# KiCad board cm4-baseboard.kicad_pcb (continued)
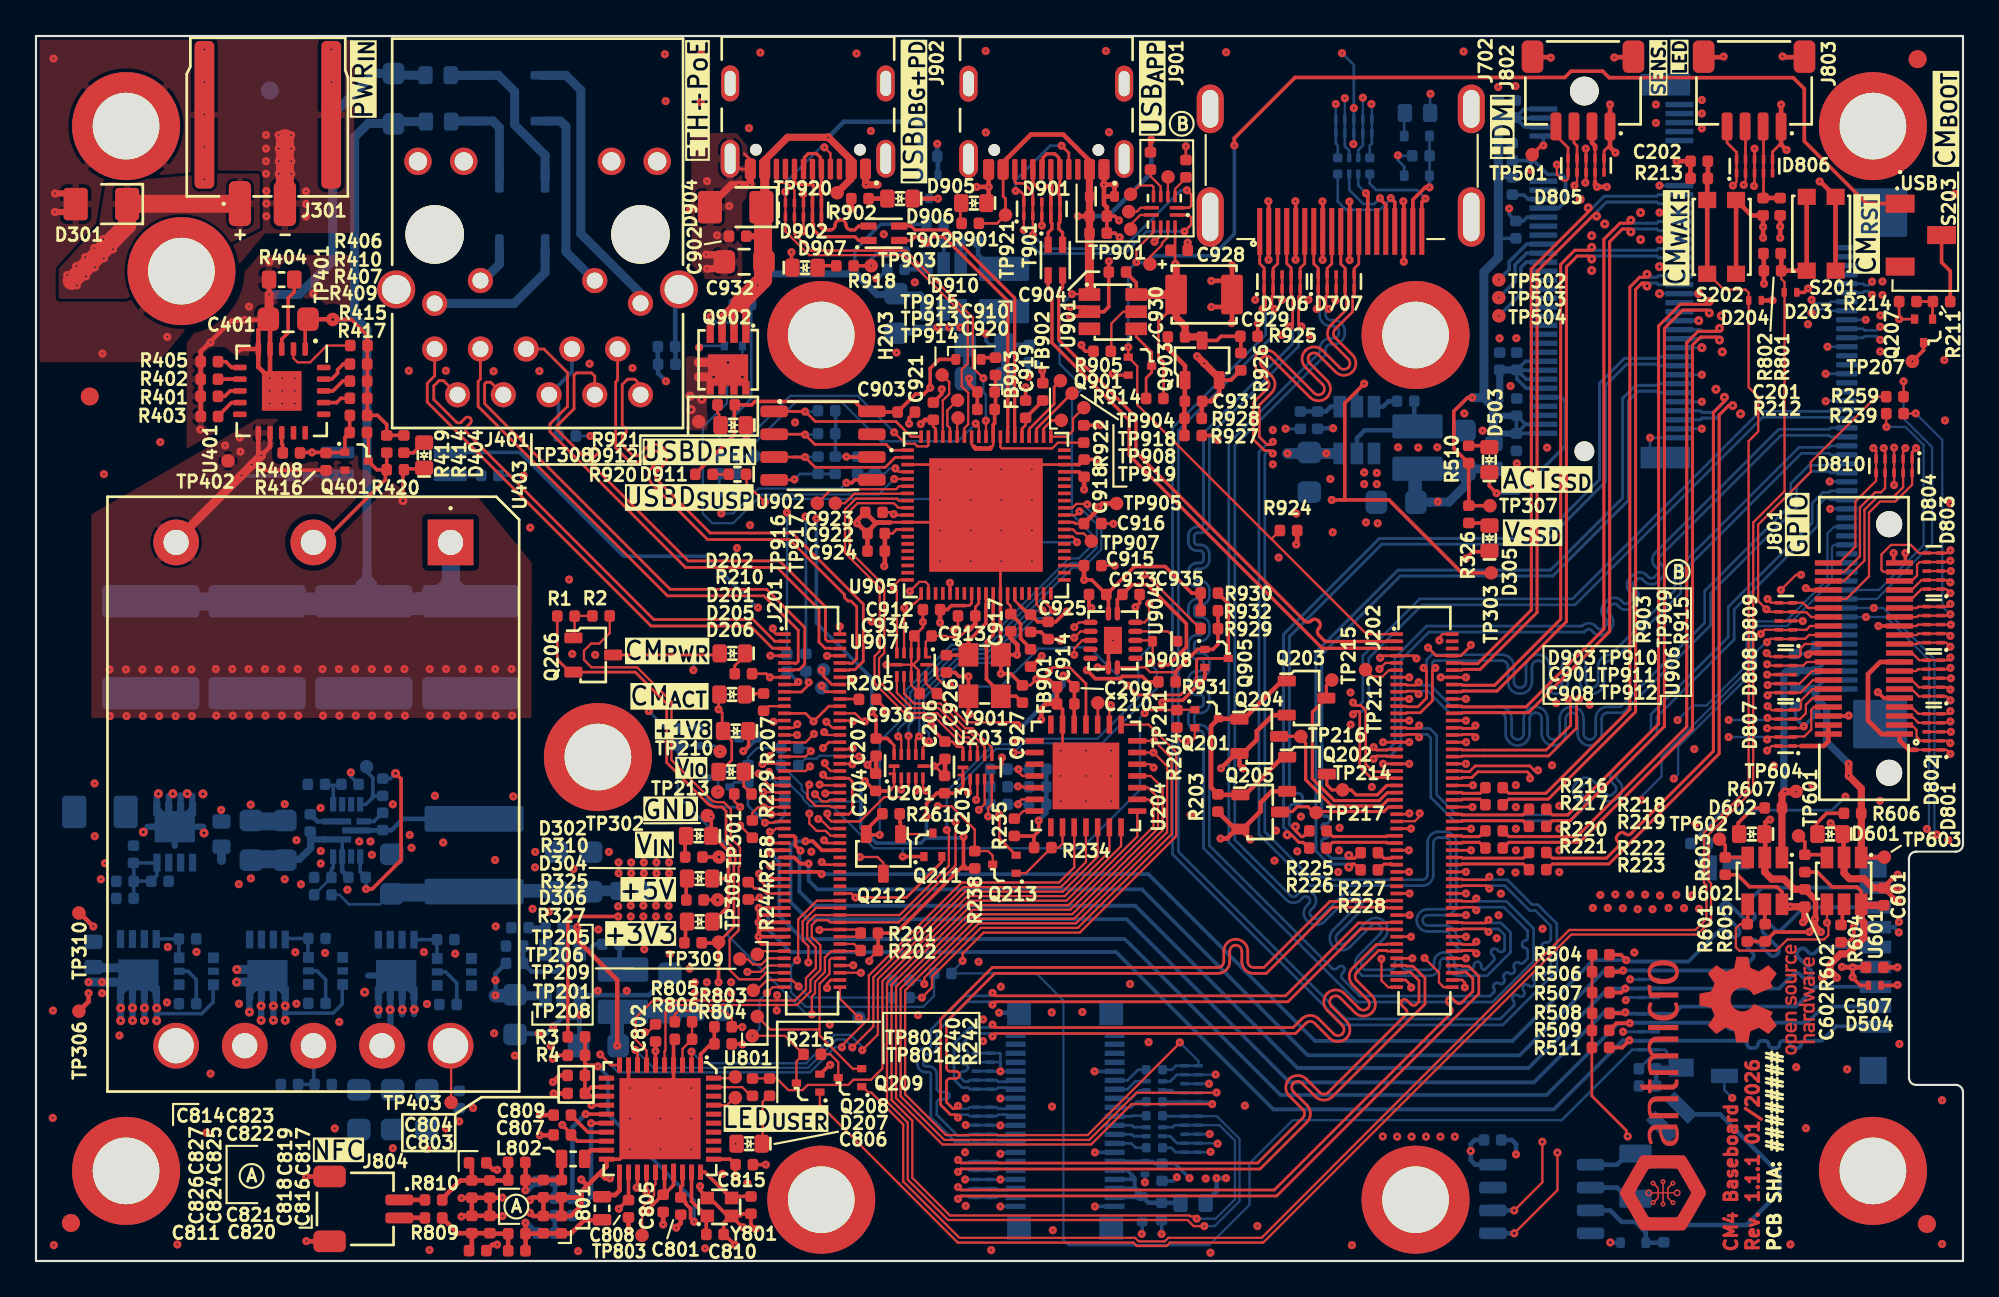
[diagram p0: board, top side]
## Routing (per net, layer and track width the routed paths; a pad name or vN(x,y) marks a point on that pad's centre or on a via; arc(x,y) is an arc through that point) (continued)
/Compute module/GPIO.27: length 89.6
  Top w0.127: v1(106.3,31.73) 106.17,31.85 D802.2 104.99,31.85 ; J201.48 44.06,25.6 43.97,25.51 43.66,25.51 v1(43.25,25.92) ; D802.9 104.55,31.85 104.15,32.25
  In2.Cu w0.127: v1(90.65,19.6) 90.65,17.29 91.24,16.7 91.24,12.75 89.98,11.49 70.43,11.49 61.72,20.2 48.62,20.2 45.68,23.14 45.68,24.07 44.25,25.5 43.67,25.5 v1(43.25,25.92)
  In3.Cu w0.127: v1(90.65,19.6) 90.65,20.52 91.35,21.22 99.74,21.22 104.88,26.36 104.88,30.3 v1(106.3,31.73)
/Compute module/GPIO.AIN0: length 84.2
  Top w0.127: v1(96.15,36.75) 96.36,36.54 D809.6 ; D809.5 98.11,36.54 98.4,36.25 J801.30 ; v1(45.8,16) J201.96 ; 96.77,36.53 97.55,36.53
  In2.Cu w0.127: v1(96.5,27.5) 96.5,27.14 95.4,26.04 95.4,26.03 94.52,25.15 94.52,11.72 91.27,8.47 69.16,8.47 65.91,11.72 49.76,11.72 45.8,15.68 v1(45.8,16)
  In3.Cu w0.127: v1(96.15,36.75) 96.56,36.34 96.56,27.56 v1(96.5,27.5)
/Compute module/GPIO.AIN1: length 80.2
  Top w0.127: D808.10 96.3,31.55 v1(96.15,31.4) ; J801.14 98.68,32.25 97.98,31.55 D808.1 ; 96.77,31.55 97.55,31.55
  Top w0.15: J201.94 45.37,16.4 v1(45.38,16.41)
  In2.Cu w0.15: v1(45.38,16.41) 45.38,15.73 49.65,11.46 65.8,11.46 69.05,8.21 91.38,8.21 94.78,11.61 94.78,25.04 95.67,25.93 95.67,25.93 96.99,27.25 96.99,30.69 96.27,31.4 v1(96.15,31.4)
/Compute module/HDMI.CEC: length 48.9
  Top w0.127: v1(76.26,24.85) 76.08,24.85 76.03,24.8 J202.51
  In2.Cu w0.127: v1(73.67,64.58) 73.67,61.3 71.84,59.47 71.84,57.99 73.87,55.96 73.87,54.9 73.08,54.11 73.08,33.46 71,31.39 71,30.17 76.26,24.91 v1(76.26,24.85)
  Bottom w0.127: v1(73.67,64.58) 73.67,63.39 ; D708.9 73.68,62.61
  Bottom w0.15: R701.3 73.42,61.67 73.67,61.93 D708.2
/Compute module/HDMI.CLK_N: length 73.5
  Top w0.15: D707.5 73.19,53.63 73.11,53.55 73.11,52.7 72.14,51.73 arc(72.04,51.49) 72.14,51.25 73.1,50.3 arc(73.29,49.83) 73.1,49.36 arc(72.63,49.16) 72.16,49.36 71.2,50.31 arc(70.96,50.41) 70.73,50.31 arc(70.63,50.08) 70.73,49.84 71.68,48.89 arc(71.88,48.42) 71.68,47.94 arc(71.21,47.75) 70.74,47.94 68.55,50.14 arc(68.31,50.24) 68.08,50.14 arc(67.98,49.9) 68.08,49.66 68.61,49.13 arc(68.8,48.66) 68.61,48.19 67.92,47.51 67.92,45.75 68.36,45.32 68.52,45.32 v1(68.67,45.47) ; v1(79.97,17.07) 79.82,17.23 79.2,17.23 79.16,17.2 J202.90
  Top w0.153: 73.19,54.74 73.19,55.09 73.45,55.35 73.45,57.14 ; 73.2,53.96 73.2,54.74
  Bottom w0.15: v1(79.97,17.07) 79.82,17.23 79.08,17.23 78.53,17.79 78.53,18.01 arc(78.45,18.21) 78.24,18.29 77.28,18.29 arc(76.85,18.48) 76.66,18.91 arc(76.85,19.34) 77.28,19.53 78.24,19.53 arc(78.45,19.61) 78.53,19.81 78.53,23.21 arc(78.45,23.41) 78.24,23.5 77.88,23.5 77.88,23.5 arc(77.68,23.42) 77.59,23.22 77.59,21.45 arc(77.41,21.02) 76.98,20.84 70.76,20.84 67.91,23.69 67.91,44.9 68.32,45.32 68.52,45.32 v1(68.67,45.47)
/Compute module/HDMI.CLK_P: length 73.5
  Top w0.15: D707.4 72.69,53.63 72.78,53.55 72.78,52.83 71.91,51.96 arc(71.71,51.49) 71.91,51.02 72.86,50.07 arc(72.96,49.83) 72.86,49.59 arc(72.63,49.49) 72.39,49.59 71.43,50.55 arc(70.96,50.74) 70.49,50.55 arc(70.3,50.08) 70.49,49.61 71.45,48.65 arc(71.55,48.42) 71.45,48.18 arc(71.21,48.08) 70.98,48.18 68.78,50.37 arc(68.31,50.57) 67.84,50.37 arc(67.65,49.9) 67.84,49.43 68.37,48.9 arc(68.47,48.66) 68.37,48.43 67.59,47.65 67.59,45.61 68.22,44.98 68.52,44.98 v1(68.67,44.82) ; v1(79.97,17.72) 79.82,17.57 79.2,17.56 79.16,17.6 J202.88
  Top w0.153: 72.45,57.14 72.45,55.53 72.45,55.53 72.45,55.35 72.7,55.11 72.7,54.33 ; 72.7,53.96 72.7,54.74
  Bottom w0.15: v1(68.67,44.82) 68.52,44.98 68.46,44.98 68.23,44.76 68.23,23.83 70.9,21.16 71.16,21.16 arc(71.21,21.19) 71.23,21.24 arc(71.26,21.29) 71.31,21.31 71.56,21.31 arc(71.61,21.29) 71.63,21.24 arc(71.66,21.19) 71.71,21.16 76.98,21.16 arc(77.18,21.25) 77.27,21.45 77.27,23.22 arc(77.45,23.65) 77.88,23.83 77.88,23.83 78.24,23.83 arc(78.68,23.65) 78.86,23.21 78.86,19.81 arc(78.68,19.38) 78.24,19.19 77.28,19.19 arc(77.08,19.11) 76.99,18.91 arc(77.08,18.71) 77.28,18.62 78.24,18.62 arc(78.68,18.44) 78.86,18.01 78.86,17.92 79.22,17.57 79.82,17.57 v1(79.97,17.72)
/Compute module/HDMI.D0_N: length 73.4
  Top w0.15: J202.84 79.16,18.4 79.2,18.44 80.49,18.43 v1(80.65,18.27)
  Top w0.153: v1(71.77,52.85) 71.62,53 71.62,53.56 71.69,53.63 D707.2 ; 71.95,57.15 71.95,55.36 71.69,55.1 71.69,54.75 ; 71.7,53.97 71.7,54.75
  Bottom w0.15: v1(71.77,52.85) 71.61,52.69 71.61,52.51 arc(71.69,52.31) 71.9,52.23 72.06,52.23 arc(72.5,52.04) 72.68,51.61 72.68,51.51 arc(72.5,51.08) 72.06,50.89 71.9,50.89 arc(71.69,50.81) 71.61,50.61 71.61,50.31 66.56,45.26 66.56,23.38 69.66,20.28 arc(69.83,20.21) 69.99,20.28 70.11,20.4 arc(70.51,20.57) 70.91,20.4 arc(71.07,20) 70.91,19.6 70.79,19.48 arc(70.72,19.32) 70.79,19.15 70.85,19.09 arc(71.09,18.99) 71.33,19.09 72.5,20.27 arc(72.97,20.46) 73.44,20.27 arc(73.64,19.8) 73.44,19.33 72.27,18.15 arc(72.17,17.91) 72.27,17.68 arc(72.5,17.58) 72.74,17.68 73.92,18.85 arc(74.39,19.05) 74.86,18.85 arc(75.05,18.38) 74.86,17.91 73.68,16.74 arc(73.58,16.5) 73.68,16.26 73.78,16.16 75.25,16.16 arc(75.39,16.22) 75.45,16.37 75.45,16.54 arc(75.51,16.69) 75.65,16.75 arc(75.79,16.69) 75.85,16.54 75.85,16.37 arc(75.91,16.22) 76.05,16.16 77.39,16.16 arc(77.56,16.23) 77.62,16.4 77.62,16.56 arc(77.79,16.96) 78.19,17.13 arc(78.59,16.96) 78.75,16.56 78.75,16.4 arc(78.82,16.23) 78.99,16.16 79.64,16.16 arc(79.78,16.22) 79.84,16.37 79.84,16.41 arc(79.9,16.56) 80.04,16.62 arc(80.18,16.56) 80.24,16.41 80.24,16.37 arc(80.3,16.22) 80.44,16.16 80.92,16.65 arc(80.98,16.79) 80.92,16.93 80.85,17 arc(80.79,17.14) 80.85,17.28 arc(80.99,17.34) 81.13,17.28 81.21,17.21 arc(81.35,17.15) 81.49,17.21 81.55,17.27 81.55,18.1 81.21,18.44 80.81,18.44 v1(80.65,18.27)
/Compute module/HDMI.D0_P: length 73.4
  Top w0.15: v1(80.65,18.93) 80.49,18.77 79.2,18.76 79.16,18.8 J202.82
  Top w0.153: v1(71.12,52.85) 71.26,53 71.26,53.56 71.19,53.63 D707.1 ; 71.2,54.34 71.2,55.12 70.95,55.36 70.95,55.54 70.95,55.54 70.95,57.15 ; 71.2,53.97 71.2,54.75
  Bottom w0.15: v1(80.65,18.93) 80.81,18.76 81.35,18.76 81.88,18.24 81.88,17.13 80.58,15.84 78.99,15.84 arc(78.59,16) 78.42,16.4 78.42,16.56 arc(78.36,16.73) 78.19,16.8 arc(78.02,16.73) 77.95,16.56 77.95,16.4 arc(77.79,16) 77.39,15.84 73.64,15.84 73.45,16.03 arc(73.25,16.5) 73.45,16.97 74.63,18.15 arc(74.72,18.38) 74.63,18.62 arc(74.39,18.72) 74.15,18.62 72.97,17.44 arc(72.5,17.25) 72.03,17.44 arc(71.84,17.91) 72.03,18.38 73.21,19.56 arc(73.31,19.8) 73.21,20.03 arc(72.97,20.13) 72.74,20.03 71.56,18.86 arc(71.09,18.66) 70.62,18.86 70.56,18.92 arc(70.39,19.32) 70.56,19.72 70.67,19.83 arc(70.74,20) 70.67,20.17 arc(70.51,20.24) 70.34,20.17 70.23,20.05 arc(69.83,19.88) 69.43,20.05 66.23,23.24 66.23,45.4 71.28,50.44 71.28,50.61 arc(71.46,51.04) 71.9,51.23 72.06,51.23 arc(72.26,51.31) 72.35,51.51 72.35,51.61 arc(72.26,51.81) 72.06,51.89 71.9,51.89 arc(71.46,52.08) 71.28,52.51 71.28,52.69 v1(71.12,52.85)
/Compute module/HDMI.D1_N: length 73.5
  Top w0.15: v1(79.97,19.47) 79.82,19.63 79.2,19.63 79.16,19.6 J202.78 ; D706.5 70.19,53.62 70.11,53.54 70.11,52.03 v1(70.27,51.88)
  Top w0.153: 70.2,53.98 70.2,54.76 ; 70.45,57.16 70.45,55.37 70.19,55.11 70.19,54.76
  Bottom w0.15: v1(79.97,19.47) 80.13,19.63 81.51,19.63 82.83,18.32 82.83,17.93 arc(82.78,17.82) 82.67,17.78 arc(82.57,17.74) 82.52,17.63 82.52,17.53 arc(82.57,17.42) 82.67,17.38 arc(82.78,17.34) 82.83,17.23 82.83,16.79 82.58,16.54 arc(82.47,16.5) 82.37,16.54 arc(82.26,16.59) 82.15,16.54 82.08,16.47 arc(82.04,16.36) 82.08,16.26 arc(82.13,16.15) 82.08,16.05 82.01,15.98 arc(81.91,15.93) 81.8,15.98 arc(81.69,16.02) 81.59,15.98 81.52,15.91 arc(81.47,15.8) 81.52,15.69 arc(81.56,15.59) 81.52,15.48 81.45,15.41 arc(81.34,15.37) 81.23,15.41 arc(81.13,15.45) 81.02,15.41 80.95,15.34 arc(80.91,15.23) 80.95,15.13 arc(81,15.02) 80.95,14.92 80.74,14.7 73.51,14.7 72.53,15.68 arc(72.47,15.82) 72.53,15.96 72.61,16.04 arc(72.67,16.18) 72.61,16.32 arc(72.47,16.38) 72.32,16.32 72.25,16.25 arc(72.11,16.19) 71.97,16.25 65.16,23.06 65.16,29.25 arc(65.01,29.61) 64.65,29.75 64.49,29.75 arc(64.37,29.8) 64.32,29.92 64.32,30.25 arc(64.37,30.37) 64.49,30.42 64.65,30.42 arc(65.01,30.57) 65.16,30.92 65.16,31.25 arc(65.01,31.61) 64.65,31.75 64.49,31.75 arc(64.37,31.8) 64.32,31.92 64.32,32.25 arc(64.37,32.37) 64.49,32.42 64.65,32.42 arc(65.01,32.57) 65.16,32.92 65.16,33.25 arc(65.01,33.61) 64.65,33.75 64.49,33.75 arc(64.37,33.8) 64.32,33.92 64.32,34.25 arc(64.37,34.37) 64.49,34.42 64.65,34.42 arc(65.01,34.57) 65.16,34.92 65.16,35.25 arc(65.01,35.61) 64.65,35.75 64.49,35.75 arc(64.37,35.8) 64.32,35.92 64.32,36.25 arc(64.37,36.37) 64.49,36.42 64.65,36.42 arc(65.01,36.57) 65.16,36.92 65.16,37.25 arc(65.01,37.61) 64.65,37.75 64.49,37.75 arc(64.37,37.8) 64.32,37.92 64.32,38.25 arc(64.37,38.37) 64.49,38.42 64.65,38.42 arc(65.01,38.57) 65.16,38.92 65.16,39.25 arc(65.01,39.61) 64.65,39.75 64.49,39.75 arc(64.37,39.8) 64.32,39.92 64.32,40.25 arc(64.37,40.37) 64.49,40.42 64.65,40.42 arc(65.01,40.57) 65.16,40.92 65.16,45.82 70.11,50.78 70.11,51.72 v1(70.27,51.88)
/Compute module/HDMI.D1_P: length 73.5
  Top w0.15: v1(69.62,51.88) 69.78,52.03 69.78,53.54 69.69,53.62 D706.4 ; v1(79.97,20.12) 79.82,19.97 79.2,19.97 79.16,20 J202.76
  Top w0.153: 69.7,54.35 69.7,55.13 69.45,55.37 69.45,55.55 69.45,55.55 69.45,57.16 ; 69.7,53.98 69.7,54.76
  Bottom w0.15: v1(79.97,20.12) 80.13,19.97 81.65,19.97 83.16,18.46 83.16,16.65 80.88,14.38 73.37,14.38 64.83,22.92 64.83,29.25 arc(64.77,29.37) 64.65,29.42 64.49,29.42 arc(64.13,29.57) 63.99,29.92 63.99,30.25 arc(64.13,30.61) 64.49,30.75 64.65,30.75 arc(64.77,30.8) 64.83,30.92 64.83,31.25 arc(64.77,31.37) 64.65,31.42 64.49,31.42 arc(64.13,31.57) 63.99,31.92 63.99,32.25 arc(64.13,32.61) 64.49,32.75 64.65,32.75 arc(64.77,32.8) 64.83,32.92 64.83,33.25 arc(64.77,33.37) 64.65,33.42 64.49,33.42 arc(64.13,33.57) 63.99,33.92 63.99,34.25 arc(64.13,34.61) 64.49,34.75 64.65,34.75 arc(64.77,34.8) 64.83,34.92 64.83,35.25 arc(64.77,35.37) 64.65,35.42 64.49,35.42 arc(64.13,35.57) 63.99,35.92 63.99,36.25 arc(64.13,36.61) 64.49,36.75 64.65,36.75 arc(64.77,36.8) 64.83,36.92 64.83,37.25 arc(64.77,37.37) 64.65,37.42 64.49,37.42 arc(64.13,37.57) 63.99,37.92 63.99,38.25 arc(64.13,38.61) 64.49,38.75 64.65,38.75 arc(64.77,38.8) 64.83,38.92 64.83,39.25 arc(64.77,39.37) 64.65,39.42 64.49,39.42 arc(64.13,39.57) 63.99,39.92 63.99,40.25 arc(64.13,40.61) 64.49,40.75 64.65,40.75 arc(64.77,40.8) 64.83,40.92 64.83,45.96 69.78,50.91 69.78,51.72 v1(69.62,51.88)
/Compute module/HDMI.D2_N: length 73.5
  Top w0.15: J202.72 79.16,20.8 79.2,20.84 80.54,20.83 v1(80.7,20.67)
  Top w0.153: v1(68.77,52.85) 68.62,53 68.62,53.05 68.62,53.05 68.62,53.55 68.69,53.62 D706.2 D706.9 68.69,55.11 68.95,55.37 J702.3
  Bottom w0.15: v1(80.7,20.67) 80.86,20.83 81.56,20.83 82.94,19.45 83.26,19.45 84.11,18.59 84.11,17.89 arc(84.06,17.75) 83.91,17.69 83.81,17.69 arc(83.67,17.63) 83.61,17.49 arc(83.67,17.35) 83.81,17.29 83.91,17.29 arc(84.06,17.23) 84.11,17.09 84.11,16.24 83.73,15.86 arc(83.59,15.8) 83.45,15.86 83.45,15.86 arc(83.31,15.92) 83.17,15.86 arc(83.11,15.72) 83.17,15.58 83.17,15.57 arc(83.23,15.43) 83.17,15.29 arc(83.03,15.23) 82.88,15.29 82.88,15.29 arc(82.74,15.35) 82.6,15.29 arc(82.54,15.15) 82.6,15.01 82.6,15.01 arc(82.66,14.87) 82.6,14.73 arc(82.46,14.67) 82.32,14.73 82.32,14.73 arc(82.18,14.79) 82.03,14.73 arc(81.98,14.59) 82.03,14.44 82.04,14.44 arc(82.09,14.3) 82.04,14.16 81.31,13.44 72.72,13.44 63.44,22.72 63.44,46.1 68.61,51.27 68.61,52.69 v1(68.77,52.85)
/Compute module/HDMI.D2_P: length 73.5
  Top w0.15: v1(80.7,21.33) 80.54,21.17 79.2,21.16 79.16,21.2 J202.70
  Top w0.153: J702.1 67.95,55.55 67.95,55.55 67.95,55.37 68.19,55.12 68.19,54.35 ; D706.10 D706.1 68.19,53.62 68.26,53.55 68.26,53.19 68.26,53.19 68.26,53 v1(68.11,52.85)
  Bottom w0.15: v1(80.7,21.33) 80.86,21.17 81.69,21.17 83.08,19.78 83.39,19.78 84.44,18.73 84.44,16.1 81.45,13.1 72.58,13.1 63.11,22.58 63.11,46.24 68.28,51.41 68.28,52.69 v1(68.11,52.85)
/Compute module/HDMI.HPD: length 49.3
  Top w0.127: v1(76.83,24.85) 76.83,24.68 76.56,24.41 75.57,24.41
  In2.Cu w0.127: v1(74.15,64.22) 73.93,64 73.93,61.2 72.1,59.36 72.1,58.1 74.12,56.07 74.12,54.8 73.33,54 73.33,33.36 71.25,31.28 71.25,30.28 75.67,25.85 75.85,25.85 76.83,24.87 v1(76.83,24.85)
  Bottom w0.127: D708.1 D708.10 74.17,64.2 v1(74.15,64.22)
  Bottom w0.15: R701.4 74.06,61.91 74.17,62.03 D708.1
/Compute module/HDMI.SCL: length 63.6
  Top w0.127: v1(77.1,16.82) 77.9,16.01 77.9,15.45 78.16,15.2 J202.100
  In2.Cu w0.127: v1(72.67,64.55) 72.67,60.75 71.02,59.09 71.02,58.46 73.62,55.86 73.62,55.01 72.82,54.21 72.82,33.57 70.75,31.49 70.75,29.71 68.35,27.32 68.35,21.58 72.35,17.59 76.41,17.59 77.1,16.9 v1(77.1,16.82)
  Bottom w0.127: v1(72.67,64.55) D708.7
  Bottom w0.15: R701.2 72.92,61.63 72.67,61.88 D708.4 D708.7
/Compute module/HDMI.SDA: length 60.5
  Top w0.127: v1(74.71,16.77) 74.71,15.57 75.08,15.2 J202.99
  In2.Cu w0.127: v1(72.17,64.22) 72.17,60.72 70.75,59.3 70.75,58.34 73.37,55.72 73.37,55.11 72.57,54.32 72.57,33.67 70.49,31.59 70.49,29.82 68.1,27.43 68.1,21.48 72.3,17.28 74.46,17.28 74.71,17.03 v1(74.71,16.77)
  Bottom w0.127: v1(72.17,64.22) D708.6
  Bottom w0.15: R701.1 72.28,61.93 72.17,62.04 D708.5 D708.6
/Compute module/nEXTRST: length 2.1
  Top w0.127: v1(45.7,13.5) 44.64,14.56 J201.100
/Compute module/NFC.DWL_REQ: length 32.5
  Top w0.127: v1(36.4,11.62) U801.2 ; U204.19 58.95,22.44 57.01,20.51 51.61,20.51 46.75,15.64 46.75,12.57 v1(45.88,11.71)
  Bottom w0.127: v1(45.88,11.71) 45.88,11.88 45.21,12.55 44.34,12.55 42.76,10.97 37.05,10.97 v1(36.4,11.62)
/Compute module/NFC.EN: length 36.4
  Top w0.127: U204.17 57.65,21.85 56.81,21.01 51.4,21.01 46.24,15.85 46.24,13.46 44.75,11.96 v1(44.75,11.86)
  Top w0.15: v1(31.33,11.47) 31.92,10.88 U801.10
  Bottom w0.127: v1(31.33,11.47) 32.33,10.47 42.97,10.47 44.36,11.86 v1(44.75,11.86)
/Compute module/NFC.IRQ: length 35
  Top w0.127: v1(45.33,11.85) 46.5,13.02 46.5,15.75 51.51,20.76 56.91,20.76 58.3,22.15 U204.18
  Top w0.15: v1(33.27,11.72) 33.4,11.6 U801.8
  Bottom w0.127: v1(33.27,11.72) 34.28,10.72 42.87,10.72 44.44,12.3 44.9,12.3 45.33,11.87 v1(45.33,11.85)
/Compute module/NFC.WKUP_REQ: length 2.3
  Top w0.127: 39.7,9.16 39.22,9.65 U801.39
/Compute module/NVMe.CLK_N: length 34.6
  Top w0.17: J202.12 79.16,32.8 79.2,32.84 80.19,32.84 83.35,36 83.35,54.93 86.42,58 v2(86.65,58)
  Bottom w0.17: J501.53 90.09,58.7 90,58.79 87.2,58.79 86.65,58.24 v2(86.65,58)
/Compute module/NVMe.CLK_P: length 34.6
  Top w0.17: J202.10 79.16,33.2 79.2,33.16 80.05,33.16 83.03,36.14 83.03,55.07 86.19,58.23 v2(86.19,58.46)
  Bottom w0.17: v2(86.19,58.46) 86.43,58.46 87.07,59.11 90,59.11 90.09,59.2 91.25,59.2
/Compute module/NVMe.RX0_N: length 34.3
  Top w0.17: J202.18 79.16,31.6 79.2,31.64 81.13,31.64 84.98,35.49 84.98,55.19 85.58,55.79 86.22,55.79 v2(86.38,55.62)
  Bottom w0.17: 91.25,55.7 90.09,55.7 90,55.79 86.55,55.79 v2(86.38,55.62)
/Compute module/NVMe.RX0_P: length 34.3
  Top w0.17: J202.16 79.16,32 79.2,31.96 80.99,31.96 84.66,35.63 84.66,55.32 85.45,56.11 86.22,56.11 v2(86.38,56.27)
  Bottom w0.17: J501.43 90.09,56.2 90,56.11 86.55,56.11 v2(86.38,56.27)
/Compute module/NVMe.RX1_N: length 35.7
  Top w0.17: R219.1 83.89,24.12 84.2,24.44 85.18,24.44 90.42,29.68 90.42,51.77 91.43,52.79 92.75,52.79 v2(92.91,52.62)
  Bottom w0.17: v2(92.91,52.62) 92.75,52.79 91.96,52.79 91.87,52.7 J501.29
/Compute module/NVMe.RX1_P: length 35.7
  Top w0.17: v2(92.91,53.27) 92.75,53.11 91.3,53.11 90.1,51.91 90.1,29.81 85.05,24.76 84.2,24.76 83.89,25.07 R218.1
  Bottom w0.17: v2(92.91,53.27) 92.75,53.11 91.96,53.11 91.87,53.2 91.25,53.2
/Compute module/NVMe.RX2_N: length 44.2
  Top w0.17: R225.2 70.68,23.88 70.36,23.56 70.26,23.56 69.93,23.88 v2(69.93,24.12)
  Bottom w0.17: v2(69.93,24.12) 69.7,24.12 69.59,24.23 69.59,25.12 arc(69.66,25.29) 69.83,25.36 70.09,25.36 arc(70.26,25.43) 70.33,25.6 70.33,25.72 arc(70.26,25.89) 70.09,25.96 69.83,25.96 arc(69.66,26.03) 69.59,26.2 69.59,34.66 74.73,39.79 83.69,39.79 87.14,43.24 87.14,48.59 88.33,49.79 90,49.79 90.09,49.7 J501.17
/Compute module/NVMe.RX2_P: length 44.2
  Top w0.17: R226.2 70.68,22.92 70.36,23.24 70.13,23.24 69.71,23.66 v2(69.48,23.66)
  Bottom w0.17: J501.19 90.09,50.2 90,50.11 88.2,50.11 86.82,48.73 86.82,43.38 83.55,40.11 74.59,40.11 69.27,34.79 69.27,24.09 69.48,23.89 v2(69.48,23.66)
/Compute module/NVMe.RX3_N: length 35.3
  Top w0.17: v2(94.21,47.49) 93.98,47.49 93.46,46.97 93.46,28.16 87.34,22.04 84.2,22.04 83.89,21.72 R223.1
  Bottom w0.17: J501.5 92.41,46.7 92.5,46.79 93.28,46.79 93.98,47.49 v2(94.21,47.49)
/Compute module/NVMe.RX3_P: length 35.3
  Top w0.17: R222.1 83.89,22.67 84.2,22.36 87.2,22.36 87.81,22.97 arc(87.88,23.13) 87.81,23.3 arc(87.75,23.46) 87.81,23.63 87.91,23.72 arc(88.07,23.79) 88.24,23.72 arc(88.4,23.65) 88.57,23.72 89.58,24.74 93.14,28.3 93.14,47.1 93.75,47.71 v2(93.75,47.95)
  Bottom w0.17: J501.7 92.41,47.2 92.5,47.11 93.15,47.11 93.75,47.71 v2(93.75,47.95)
/Compute module/NVMe.TX0_N: length 36.6
  Top w0.17: v2(88.56,57.13) 88.39,57.29 88.09,57.29 87.38,56.58 87.38,34.94 82.88,30.44 79.2,30.44 79.16,30.4 J202.24
  Bottom w0.17: J501.47 90.09,57.2 90,57.29 89.35,57.29 89.34,57.29 88.72,57.29 v2(88.56,57.13)
/Compute module/NVMe.TX0_P: length 36.6
  Top w0.17: J202.22 79.16,30.8 79.2,30.76 82.74,30.76 87.06,35.08 87.06,56.72 87.95,57.61 88.39,57.61 v2(88.56,57.78)
  Bottom w0.17: v2(88.56,57.78) 88.72,57.61 89.47,57.61 89.47,57.61 90,57.61 90.09,57.7 J501.49
/Compute module/NVMe.TX1_N: length 35.7
  Top w0.17: R217.1 81.47,25.32 81.78,25.64 83.97,25.64 88.82,30.49 88.82,53.93 89.18,54.29 89.29,54.29 v2(89.45,54.12)
  Bottom w0.17: v2(89.45,54.12) 89.62,54.29 90,54.29 90.09,54.2 J501.35
/Compute module/NVMe.TX1_P: length 35.7
  Top w0.17: R216.1 81.47,26.28 81.78,25.96 83.84,25.96 88.5,30.62 88.5,54.06 89.05,54.61 89.29,54.61 v2(89.45,54.77)
  Bottom w0.17: v2(89.45,54.77) 89.62,54.61 90,54.61 90.09,54.7 J501.37
/Compute module/NVMe.TX2_N: length 38.6
  Top w0.17: 81.47,22.92 81.79,23.24 85.7,23.24 91.98,29.52 91.98,50.84 92.42,51.29 93.31,51.29 v2(93.48,51.12)
  Bottom w0.17: v2(93.48,51.12) 93.31,51.29 92.5,51.29 92.41,51.2 J501.23
/Compute module/NVMe.TX2_P: length 38.6
  Top w0.17: v2(93.48,51.77) 93.31,51.61 92.29,51.61 91.66,50.98 91.66,29.66 85.56,23.56 81.79,23.56 81.47,23.88
  Bottom w0.17: v2(93.48,51.77) 93.31,51.61 92.5,51.61 92.41,51.7 J501.25
/Compute module/NVMe.TX3_N: length 43.7
  Top w0.17: R227.2 73.53,22.66 73.21,22.35 73.06,22.35 v2(72.9,22.51)
  Bottom w0.17: J501.11 90.09,48.2 90,48.29 88.96,48.29 88.42,47.74 88.42,42.22 84.23,38.03 75.76,38.03 71.39,33.67 71.39,24.86 arc(71.44,24.74) 71.56,24.7 71.66,24.7 arc(71.77,24.65) 71.82,24.53 71.82,24.45 arc(71.77,24.33) 71.66,24.29 71.56,24.29 arc(71.44,24.24) 71.39,24.12 71.39,24.04 arc(71.44,23.92) 71.56,23.88 71.61,23.88 arc(71.72,23.83) 71.77,23.71 71.77,23.63 arc(71.72,23.51) 71.61,23.47 71.56,23.47 arc(71.44,23.42) 71.39,23.3 71.39,22.88 71.92,22.35 72.73,22.35 v2(72.9,22.51)
/Compute module/NVMe.TX3_P: length 43.7
  Top w0.17: v2(72.9,21.87) 73.06,22.03 73.21,22.03 73.53,21.72 R228.2
  Bottom w0.17: J501.13 90.09,48.7 90,48.61 88.83,48.61 88.1,47.88 88.1,42.36 84.09,38.35 75.62,38.35 71.07,33.8 71.07,22.75 71.79,22.03 72.73,22.03 v2(72.9,21.87)
/Compute module/NVMe.~{CLK_REQ}: length 36.6
  Top w0.127: v1(77.92,34.45) 77.92,34.62 78.1,34.8 J202.2
  In2.Cu w0.127: v1(77.92,34.45) 83.5,40.02 83.5,60.08 v1(83,60.58)
  Bottom w0.2: J501.52 84.55,58.45 84.93,58.83 84.93,60.09 84.7,60.32 83.93,60.32 83.16,61.09 ; 83.16,61.09 83.12,61.09 83,60.97 ; 83.16,61.09 83,61.09 ; 83,60.97 82.88,61.09 82.8,61.09 ; 83,60.97 83,61.09 ; 83,60.97 v1(83,60.58) ; 82.8,61.09 83,61.09 ; 82.8,61.09 81.97,61.09
/Compute module/NVMe.~{RST}: length 33
  Top w0.127: J202.9 74.94,33.2 v1(74.6,32.86)
  In2.Cu w0.127: v1(81.8,58.42) 82.86,57.36 82.86,41.01 74.71,32.86 v1(74.6,32.86)
  Bottom w0.2: J501.50 82.8,57.95 82.58,57.73 82.17,57.73 ; 82.16,57.73 81.8,58.1 v1(81.8,58.42)
/Compute module/NVMe_EN: length 37.8
  Top w0.127: U204.2 59.6,30.78 v1(59.68,30.86)
  Top w0.2: v1(71.95,42.25) 72.5,42.25 ; 72.5,42.25 72.67,42.25 72.67,47.62 v1(73.75,48.7) ; 72.5,42.25 75.12,42.25 79.17,38.2 TP303.1
  In2.Cu w0.127: v1(59.68,30.86) 61.64,30.86 70.65,39.87 70.65,40.95 v1(71.95,42.25)
  Bottom w0.2: v1(73.75,48.7) 73.35,48.3 U301.5
/Compute module/Pf_5V.CEC: length 6.8
  Top w0.18: J202.49 75.1,25.2 74.85,24.95 70.9,24.95 70.63,25.22 70.03,25.22 69.77,24.95 69.1,24.95
/Compute module/Pf_5V.HPD: length 5.1
  Top w0.18: J202.43 75,26.4 74.48,25.87 73.3,25.87 73.02,26.15 TP214.1 71.95,26.15 71.67,26.42 Q202.3 71.67,26.88
/Compute module/Pf_5V.SCL: length 9.5
  Top w0.18: Q204.3 70.12,29.12 70.5,28.75 70.5,26.71 71.96,25.25 74.72,25.25 75.07,25.6 J202.47
/Compute module/Pf_5V.SDA: length 11.3
  Top w0.18: J202.45 75.03,26 74.59,25.56 72.09,25.56 70.88,26.77 70.88,30.47 Q203.3 71.65,31.95 TP215.1
/Compute module/PolarfireID: length 34.8
  Top w0.127: J201.43 40.73,26.4 40.12,27 v1(40.12,27.06) ; 63.35,30.59 61.73,30.59 v1(61.56,30.41) ; Q201.1 63.36,30.6
  Top w0.2: v1(48.12,22.45) Q211.1
  Bottom w0.127: 48.1,22.91 58.06,22.91 61.3,26.15 61.3,30.15 v1(61.56,30.41) ; 48.1,22.91 46.54,22.91 45.03,24.42 45.02,24.42 44.19,25.25 42.98,25.25 42.59,25.64 42.59,25.73 41.76,26.56 41.67,26.56 ; 48.1,22.91 48.12,22.89 v1(48.12,22.45) ; v1(40.12,27.06) 40.45,26.73 40.91,26.73 41.08,26.56 41.58,26.56
/Compute module/R1_N: length 4.4
  Top w0.17: R219.2 82.88,24.12 82.56,24.44 79.2,24.44 79.16,24.4 J202.54
/Compute module/R1_P: length 4.4
  Top w0.17: R218.2 82.88,25.07 82.56,24.76 79.2,24.76 79.16,24.8 J202.52
/Compute module/R2_N: length 4
  Top w0.17: J202.57 75.03,23.6 74.99,23.56 72.2,23.56 72,23.56 71.69,23.88 R225.1
/Compute module/R2_P: length 4
  Top w0.17: R226.1 71.69,22.92 72,23.24 72.32,23.24 74.99,23.24 75.03,23.2 J202.59
/Compute module/R3_N: length 4.4
  Top w0.17: R223.2 82.59,22.04 79.2,22.04 79.16,22 J202.66
/Compute module/R3_P: length 4.4
  Top w0.17: J202.64 79.16,22.4 79.2,22.36 82.59,22.36 R222.2
/Compute module/RUN_PG: length 12.2
  Top w0.127: J201.92 44.16,16.8 44.06,16.7 44.06,15.94 43.51,15.39 43.51,12.82 ; 39.77,13.53 40.1,13.53 40.77,12.85 43.48,12.85 43.51,12.82 ; 43.51,12.82 43.51,12.52 45.35,10.67 Q209.2
/Compute module/SDIO.CD: length 85.9
  Top w0.127: v1(51.45,16.66) 51.45,17.07 52.61,18.23 57.96,18.23 63.23,23.5 63.23,23.51 63.31,23.59 63.31,28.24 61.78,29.78 U204.1
  Bottom w0.127: 50.83,15.96 55.55,15.96 57.05,14.46 57.05,1.17 57.34,0.88 65.15,0.88 67.38,3.12 67.38,5.42 69.78,7.82 84.72,7.82 ; v1(51.45,16.66) 51.45,16.64 50.83,16.03
  Bottom w0.15: R505.2 89.6,11.26 90.36,11.26 90.55,11.45 90.55,11.62 90.45,11.72 D501.10 D501.1 88.62,11.72 84.72,7.82
/Compute module/SDIO.CLK: length 73.6
  Top w0.21: v1(42.45,22.77) 42.17,23.06 42.17,23.5 42.07,23.6 J201.57 ; 87.37,14.9 88.02,14.9 v1(88.25,15.12)
  Bottom w0.21: J502.5 99.09,17.43 98.78,17.12 arc(98.61,17.05) 98.44,17.12 98.27,17.29 arc(98.1,17.36) 97.93,17.29 97.84,17.21 arc(97.77,17.04) 97.84,16.87 98.53,16.18 arc(98.6,16.01) 98.53,15.84 98.45,15.75 arc(98.28,15.68) 98.11,15.75 97.93,15.93 arc(97.76,16) 97.59,15.93 96.79,15.12 90.21,15.12 v1(88.25,15.12) 87.29,15.12 82.88,10.72 70.05,10.72 61.05,19.72 43.18,19.72 42.39,20.51 42.39,22.72 v1(42.45,22.77)
/Compute module/SDIO.CMD: length 73.7
  Top w0.21: 87.37,13.75 88.2,13.75 v1(88.25,13.8) ; v1(42.72,23.3) 43.14,23.3 43.64,22.8 J201.62
  Bottom w0.21: v1(42.72,23.3) 42.15,23.3 41.9,23.05 41.9,19.92 42.85,18.97 60.55,18.97 69.61,9.92 83.18,9.92 87.07,13.8 v1(88.25,13.8) 88.33,13.72 90.95,13.72 91.35,14.12 97.73,14.12 98.83,15.22 J502.3
/Compute module/SDIO.D0: length 73.9
  Top w0.21: v1(88.12,16.12) 88.05,16.05 87.37,16.05 ; v1(42.9,22.06) 42.45,22.06 42.11,22.4 J201.63
  Bottom w0.21: v1(42.9,22.06) 42.9,21.12 43.39,20.63 61.41,20.63 70.62,11.42 82.38,11.42 87.09,16.12 v1(88.12,16.12) 94.65,16.12 95.31,16.78 arc(95.38,16.95) 95.31,17.12 95.08,17.35 arc(95.01,17.52) 95.08,17.69 95.17,17.77 arc(95.34,17.85) 95.51,17.77 96.3,16.98 arc(96.47,16.91) 96.64,16.98 96.72,17.07 arc(96.79,17.24) 96.72,17.41 95.93,18.2 arc(95.86,18.37) 95.93,18.54 96.02,18.62 arc(96.19,18.69) 96.36,18.62 96.58,18.4 arc(96.75,18.33) 96.92,18.4 98.16,19.64 102.15,19.64
/Compute module/SDIO.D1: length 73.7
  Top w0.21: 87.37,17 88,17 v1(88.3,16.7) ; v1(43.62,21.47) 43.5,21.6 J201.67
  Bottom w0.21: v1(43.62,21.47) 61.77,21.47 61.77,21.46 71.02,12.22 81.98,12.22 86.47,16.7 v1(88.3,16.7) 88.38,16.62 91.75,16.62 93.46,18.34 arc(93.63,18.41) 93.8,18.34 94.1,18.03 arc(94.27,17.96) 94.44,18.03 94.53,18.12 arc(94.6,18.29) 94.53,18.46 93.58,19.4 arc(93.51,19.57) 93.58,19.74 93.67,19.83 arc(93.84,19.9) 94.01,19.83 94.95,18.88 arc(95.12,18.81) 95.29,18.88 95.38,18.97 arc(95.45,19.14) 95.38,19.31 95.07,19.61 arc(95,19.78) 95.07,19.95 95.85,20.73 J502.8
/Compute module/SDIO.D2: length 73.9
  Top w0.21: 87.36,11.85 88.08,11.85 v1(88.47,12.25) ; J201.69 v1(40.75,21.2)
  Bottom w0.21: v1(40.75,21.2) 40.65,21.1 40.65,18.4 41.9,17.15 59.97,17.15 68.71,8.42 84.28,8.42 88.12,12.25 v1(88.47,12.25) 88.5,12.22 90.21,12.22 94.18,12.22 94.81,12.22 arc(94.95,12.17) 95.01,12.02 arc(95.07,11.88) 95.21,11.82 95.41,11.82 arc(95.55,11.88) 95.61,12.02 arc(95.67,12.17) 95.81,12.22 96.01,12.22 arc(96.15,12.17) 96.21,12.02 arc(96.27,11.88) 96.41,11.82 96.61,11.82 arc(96.75,11.88) 96.81,12.02 arc(96.87,12.17) 97.01,12.22 97.21,12.22 arc(97.35,12.17) 97.41,12.02 arc(97.47,11.88) 97.61,11.82 97.81,11.82 arc(97.95,11.88) 98.01,12.02 arc(98.07,12.17) 98.21,12.22 99.15,12.22 99.95,13.03 J502.1